# KiCad board corne-light.kicad_pcb
title: Corne Light; date: 2020-11-12; rev: 2.0; company: foostan
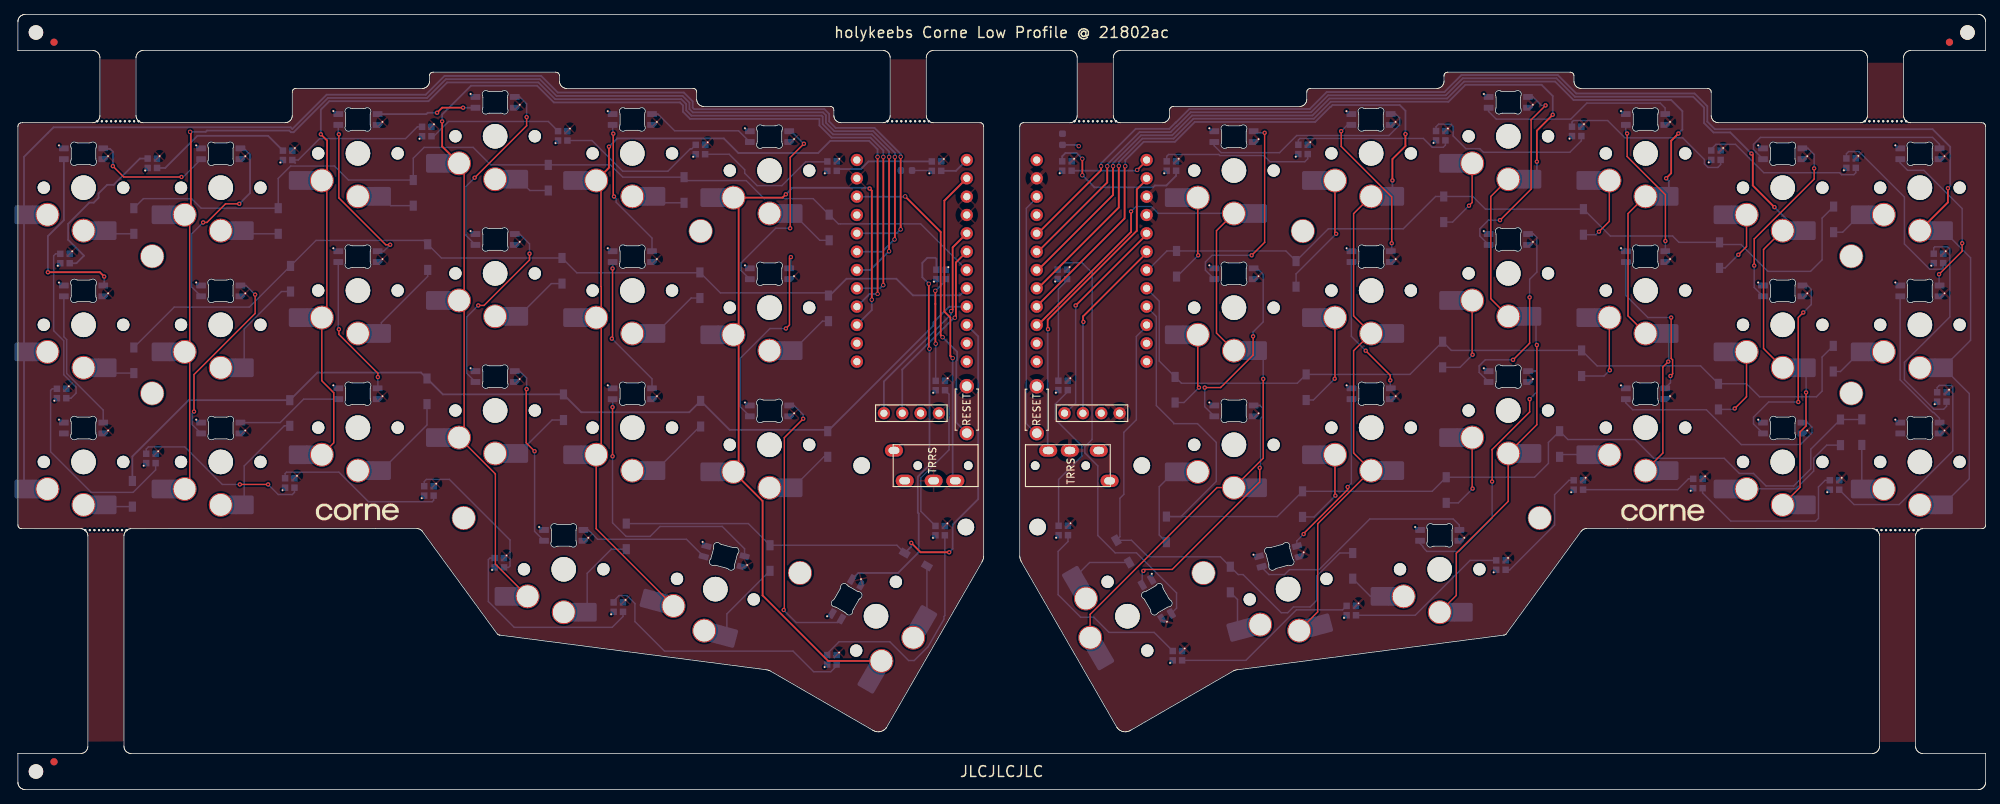
[diagram p0: board, top side]
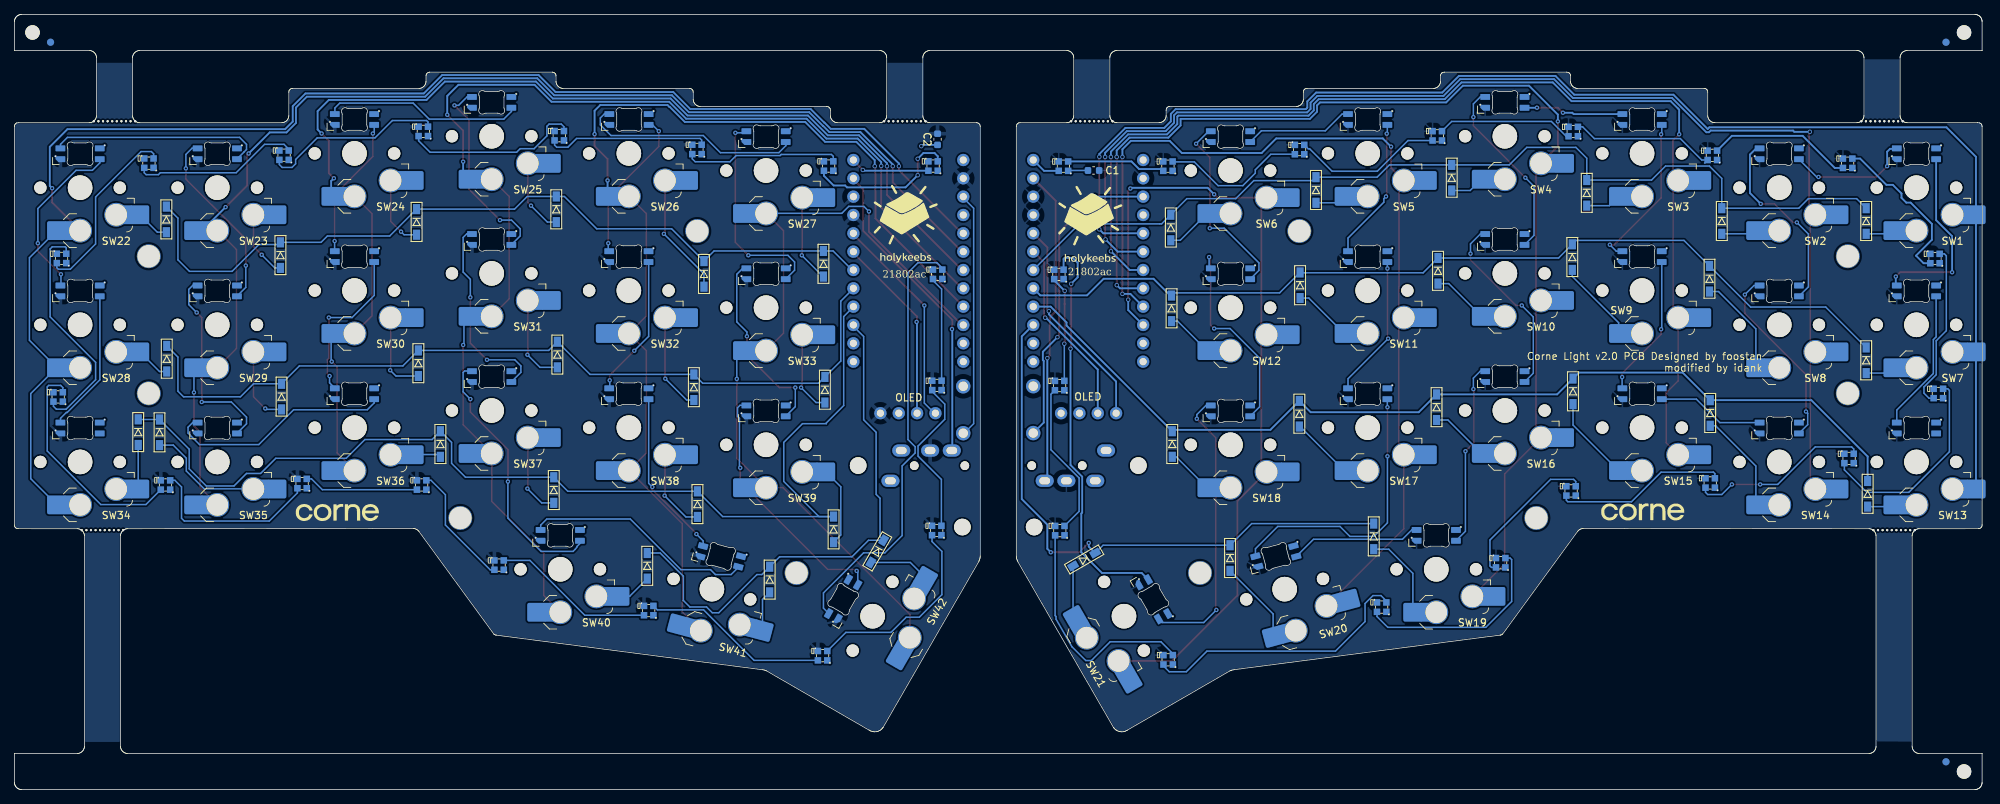
[diagram p1: board, bottom side, seen from below]

Outline 272.5 x 107.4 mm; copper layers: Top, In1.Cu, In2.Cu, Bottom. Coordinates in mm from the lower left corner of the outline.
Stack: Top 0.035mm / dielectric 0.1mm FR4 er 4.5 / In1.Cu 0.035mm / dielectric 1.24mm FR4 er 4.5 / In2.Cu 0.035mm / dielectric 0.1mm FR4 er 4.5 / Bottom 0.035mm

## Placement (name value [footprint] x y rotation side)
BACKLED1  SK6805-EC15  [LED_SK6805-EC15_1.5x1.5mm_P0.6mm_handsolder]  127.22 86.38 180 bottom
BACKLED2  SK6805-EC15  [LED_SK6805-EC15_1.5x1.5mm_P0.6mm_handsolder]  112.75 86.38 180 bottom
BACKLED3  SK6805-EC15  [LED_SK6805-EC15_1.5x1.5mm_P0.6mm_handsolder]  94.52 88.68 180 bottom
BACKLED4  SK6805-EC15  [LED_SK6805-EC15_1.5x1.5mm_P0.6mm_handsolder]  75.45 90.58 180 bottom
BACKLED5  SK6805-EC15  [LED_SK6805-EC15_1.5x1.5mm_P0.6mm_handsolder]  56.62 91.18 180 bottom
BACKLED6  SK6805-EC15  [LED_SK6805-EC15_1.5x1.5mm_P0.6mm_handsolder]  37.35 87.88 180 bottom
BACKLED7  SK6805-EC15  [LED_SK6805-EC15_1.5x1.5mm_P0.6mm_handsolder]  18.62 86.78 180 bottom
BACKLED8  SK6805-EC15  [LED_SK6805-EC15_1.5x1.5mm_P0.6mm_handsolder]  6.52 73.58 180 bottom
BACKLED9  SK6805-EC15  [LED_SK6805-EC15_1.5x1.5mm_P0.6mm_handsolder]  6.05 54.88 180 bottom
BACKLED10  SK6805-EC15  [LED_SK6805-EC15_1.5x1.5mm_P0.6mm_handsolder]  18.42 45.88 180 bottom
BACKLED11  SK6805-EC15  [LED_SK6805-EC15_1.5x1.5mm_P0.6mm_handsolder]  37.65 42.48 180 bottom
BACKLED12  SK6805-EC15  [LED_SK6805-EC15_1.5x1.5mm_P0.6mm_handsolder]  56.92 41.38 180 bottom
BACKLED13  SK6805-EC15  [LED_SK6805-EC15_1.5x1.5mm_P0.6mm_handsolder]  66.67 31.43 180 bottom
BACKLED14  SK6805-EC15  [LED_SK6805-EC15_1.5x1.5mm_P0.6mm_handsolder]  83.15 25.28 180 bottom
BACKLED15  SK6805-EC15  [LED_SK6805-EC15_1.5x1.5mm_P0.6mm_handsolder]  112.72 17.98 180 bottom
BACKLED16  SK6805-EC15  [LED_SK6805-EC15_1.5x1.5mm_P0.6mm_handsolder]  127.72 35.88 180 bottom
BACKLED17  SK6805-EC15  [LED_SK6805-EC15_1.5x1.5mm_P0.6mm_handsolder]  127.75 55.98 180 bottom
BACKLED18  SK6805-EC15  [LED_SK6805-EC15_1.5x1.5mm_P0.6mm_handsolder]  127.85 71.38 180 bottom
BACKLEDr1  SK6805-EC15  [LED_SK6805-EC15_1.5x1.5mm_P0.6mm_handsolder]  145.28 86.4 180 bottom
BACKLEDr2  SK6805-EC15  [LED_SK6805-EC15_1.5x1.5mm_P0.6mm_handsolder]  159.75 86.4 180 bottom
BACKLEDr3  SK6805-EC15  [LED_SK6805-EC15_1.5x1.5mm_P0.6mm_handsolder]  177.98 88.7 180 bottom
BACKLEDr4  SK6805-EC15  [LED_SK6805-EC15_1.5x1.5mm_P0.6mm_handsolder]  197.05 90.6 180 bottom
BACKLEDr5  SK6805-EC15  [LED_SK6805-EC15_1.5x1.5mm_P0.6mm_handsolder]  215.88 91.2 180 bottom
BACKLEDr6  SK6805-EC15  [LED_SK6805-EC15_1.5x1.5mm_P0.6mm_handsolder]  235.16 87.9 180 bottom
BACKLEDr7  SK6805-EC15  [LED_SK6805-EC15_1.5x1.5mm_P0.6mm_handsolder]  253.88 86.8 180 bottom
BACKLEDr8  SK6805-EC15  [LED_SK6805-EC15_1.5x1.5mm_P0.6mm_handsolder]  265.98 73.6 180 bottom
BACKLEDr9  SK6805-EC15  [LED_SK6805-EC15_1.5x1.5mm_P0.6mm_handsolder]  266.45 54.4 180 bottom
BACKLEDr10  SK6805-EC15  [LED_SK6805-EC15_1.5x1.5mm_P0.6mm_handsolder]  251.58 42.2 180 bottom
BACKLEDr11  SK6805-EC15  [LED_SK6805-EC15_1.5x1.5mm_P0.6mm_handsolder]  232.66 42.4 180 bottom
BACKLEDr12  SK6805-EC15  [LED_SK6805-EC15_1.5x1.5mm_P0.6mm_handsolder]  216.11 42.2 180 bottom
BACKLEDr13  SK6805-EC15  [LED_SK6805-EC15_1.5x1.5mm_P0.6mm_handsolder]  205.38 31.1 180 bottom
BACKLEDr14  SK6805-EC15  [LED_SK6805-EC15_1.5x1.5mm_P0.6mm_handsolder]  184.66 24.8 180 bottom
BACKLEDr15  SK6805-EC15  [LED_SK6805-EC15_1.5x1.5mm_P0.6mm_handsolder]  160.58 18.55 180 bottom
BACKLEDr16  SK6805-EC15  [LED_SK6805-EC15_1.5x1.5mm_P0.6mm_handsolder]  144.78 35.9 180 bottom
BACKLEDr17  SK6805-EC15  [LED_SK6805-EC15_1.5x1.5mm_P0.6mm_handsolder]  144.75 56 180 bottom
BACKLEDr18  SK6805-EC15  [LED_SK6805-EC15_1.5x1.5mm_P0.6mm_handsolder]  144.65 71.4 180 bottom
C1  1µ  [C_0603_1608Metric]  123.05 85.78 180 bottom
C2  1µ  [C_0603_1608Metric]  144.66 90.1 90 bottom
D1  D  [D3_SMD_v2]  16.05 78.78 270 bottom
D2  D  [D3_SMD_v2]  36.05 78.78 270 bottom
D3  D  [D3_SMD_v2]  54.75 82.68 270 bottom
D4  D  [D3_SMD_v2]  73.45 84.78 270 bottom
D5  D  [D3_SMD_v2]  92.25 83.08 270 bottom
D6  D  [D3_SMD_v2]  112.35 77.88 270 bottom
D7  D  [D3_SMD_v2]  16.05 59.48 270 bottom
D8  D  [D3_SMD_v2]  37.75 70.78 270 bottom
D9  D  [D3_SMD_v2]  56.75 73.78 270 bottom
D10  D  [D3_SMD_v2]  75.35 71.88 270 bottom
D11  D  [D3_SMD_v2]  94.45 69.88 270 bottom
D12  D  [D3_SMD_v2]  112.25 66.68 270 bottom
D13  D  [D3_SMD_v2]  15.85 40.98 270 bottom
D14  D  [D3_SMD_v2]  37.65 52.18 270 bottom
D15  D  [D3_SMD_v2]  56.65 55.18 270 bottom
D16  D  [D3_SMD_v2]  75.55 52.98 270 bottom
D17  D  [D3_SMD_v2]  94.55 52.08 270 bottom
D18  D  [D3_SMD_v2]  112.15 47.88 270 bottom
D19  D  [D3_SMD_v2]  84.25 35.08 270 bottom
D20  D  [D3_SMD_v2]  104.15 32.08 270 bottom
D21  D  [D3_SMD_v2]  124.35 31.88 330 bottom
D22  D  [D3_SMD_v2]  251.46 79 270 bottom
D23  D  [D3_SMD_v2]  235.66 74.05 270 bottom
D24  D  [D3_SMD_v2]  216.81 78.65 270 bottom
D25  D  [D3_SMD_v2]  197.46 80.4 270 bottom
D26  D  [D3_SMD_v2]  177.01 71.45 270 bottom
D27  D  [D3_SMD_v2]  160.46 72.85 270 bottom
D28  D  [D3_SMD_v2]  251.41 59.7 270 bottom
D29  D  [D3_SMD_v2]  235.51 54.45 270 bottom
D30  D  [D3_SMD_v2]  216.56 59.08 270 bottom
D31  D  [D3_SMD_v2]  197.31 60.28 270 bottom
D32  D  [D3_SMD_v2]  178.41 55.75 270 bottom
D33  D  [D3_SMD_v2]  160.26 55.4 270 bottom
D34  D  [D3_SMD_v2]  255.36 49.53 270 bottom
D35  D  [D3_SMD_v2]  252.41 49.5 270 bottom
D36  D  [D3_SMD_v2]  213.51 47.88 270 bottom
D37  D  [D3_SMD_v2]  197.81 41.5 270 bottom
D38  D  [D3_SMD_v2]  177.91 39.55 270 bottom
D39  D  [D3_SMD_v2]  159.06 36.05 270 bottom
D40  D  [D3_SMD_v2]  184.86 31 270 bottom
D41  D  [D3_SMD_v2]  167.91 29.1 270 bottom
D42  D  [D3_SMD_v2]  153.01 33 300 bottom
G***  LOGO  [corne-logo-horizontal]  227.9 38.31 0 top
G***#2  LOGO  [corne-logo-horizontal]  47.12 38.39 0 top
G***#3  LOGO  [corne-logo-horizontal]  227.67 38.31 180 bottom
G***#4  LOGO  [corne-logo-horizontal]  46.89 38.39 180 bottom
J1  MJ-4PP-9  [MJ-4PP-9_1side]  133.12 44.88 270 top
J2  OLED  [OLED_1side_1mm_holes]  119.93 52.15 0 top
J6  MJ-4PP-9  [MJ-4PP-9_1side]  139.38 44.88 90 top
J7  OLED  [OLED_1side_1mm_holes]  144.95 52.15 0 top
KiKit_FID_B_1  -  [Fiducial]  5 103.55 0 bottom
KiKit_FID_B_2  -  [Fiducial]  267.5 103.55 0 bottom
KiKit_FID_B_3  -  [Fiducial]  5 3.85 0 bottom
KiKit_FID_T_1  -  [Fiducial]  5 103.55 0 top
KiKit_FID_T_2  -  [Fiducial]  267.5 103.55 0 top
KiKit_FID_T_3  -  [Fiducial]  5 3.85 0 top
KiKit_MB_1_2  -  [NPTH]  15.05 35.95 0 top
KiKit_MB_1_3  -  [NPTH]  14.42 35.95 0 top
KiKit_MB_1_4  -  [NPTH]  13.78 35.95 0 top
KiKit_MB_1_5  -  [NPTH]  13.14 35.95 0 top
KiKit_MB_1_6  -  [NPTH]  12.51 35.94 0 top
KiKit_MB_1_7  -  [NPTH]  11.87 35.94 0 top
KiKit_MB_1_8  -  [NPTH]  11.23 35.94 0 top
KiKit_MB_1_9  -  [NPTH]  10.6 35.94 0 top
KiKit_MB_1_10  -  [NPTH]  9.96 35.94 0 top
KiKit_MB_1_11  -  [NPTH]  9.32 35.95 0 top
KiKit_MB_2_2  -  [NPTH]  10.99 92.6 0 top
KiKit_MB_2_3  -  [NPTH]  11.63 92.6 0 top
KiKit_MB_2_4  -  [NPTH]  12.27 92.6 0 top
KiKit_MB_2_5  -  [NPTH]  12.9 92.6 0 top
KiKit_MB_2_6  -  [NPTH]  13.54 92.6 0 top
KiKit_MB_2_7  -  [NPTH]  14.18 92.6 0 top
KiKit_MB_2_8  -  [NPTH]  14.81 92.6 0 top
KiKit_MB_2_9  -  [NPTH]  15.45 92.6 0 top
KiKit_MB_2_10  -  [NPTH]  16.09 92.6 0 top
KiKit_MB_2_11  -  [NPTH]  16.72 92.6 0 top
KiKit_MB_3_2  -  [NPTH]  120.43 92.6 0 top
KiKit_MB_3_3  -  [NPTH]  121.07 92.6 0 top
KiKit_MB_3_4  -  [NPTH]  121.71 92.6 0 top
KiKit_MB_3_5  -  [NPTH]  122.34 92.6 0 top
KiKit_MB_3_6  -  [NPTH]  122.98 92.6 0 top
KiKit_MB_3_7  -  [NPTH]  123.62 92.6 0 top
KiKit_MB_3_8  -  [NPTH]  124.25 92.6 0 top
KiKit_MB_3_9  -  [NPTH]  124.89 92.6 0 top
KiKit_MB_3_10  -  [NPTH]  125.53 92.6 0 top
KiKit_MB_3_11  -  [NPTH]  126.16 92.6 0 top
KiKit_MB_4_2  -  [NPTH]  263.17 35.95 0 top
KiKit_MB_4_3  -  [NPTH]  262.54 35.94 0 top
KiKit_MB_4_4  -  [NPTH]  261.9 35.94 0 top
KiKit_MB_4_5  -  [NPTH]  261.26 35.94 0 top
KiKit_MB_4_6  -  [NPTH]  260.63 35.94 0 top
KiKit_MB_4_7  -  [NPTH]  259.99 35.94 0 top
KiKit_MB_4_8  -  [NPTH]  259.35 35.95 0 top
KiKit_MB_4_9  -  [NPTH]  258.72 35.95 0 top
KiKit_MB_4_10  -  [NPTH]  258.08 35.95 0 top
KiKit_MB_4_11  -  [NPTH]  257.45 35.95 0 top
KiKit_MB_5_2  -  [NPTH]  146.34 92.6 0 top
KiKit_MB_5_3  -  [NPTH]  146.97 92.6 0 top
KiKit_MB_5_4  -  [NPTH]  147.61 92.6 0 top
KiKit_MB_5_5  -  [NPTH]  148.24 92.6 0 top
KiKit_MB_5_6  -  [NPTH]  148.88 92.6 0 top
KiKit_MB_5_7  -  [NPTH]  149.52 92.6 0 top
KiKit_MB_5_8  -  [NPTH]  150.15 92.6 0 top
KiKit_MB_5_9  -  [NPTH]  150.79 92.6 0 top
KiKit_MB_5_10  -  [NPTH]  151.43 92.6 0 top
KiKit_MB_5_11  -  [NPTH]  152.06 92.6 0 top
KiKit_MB_6_2  -  [NPTH]  255.78 92.6 0 top
KiKit_MB_6_3  -  [NPTH]  256.41 92.6 0 top
KiKit_MB_6_4  -  [NPTH]  257.05 92.6 0 top
KiKit_MB_6_5  -  [NPTH]  257.68 92.6 0 top
KiKit_MB_6_6  -  [NPTH]  258.32 92.6 0 top
KiKit_MB_6_7  -  [NPTH]  258.96 92.6 0 top
KiKit_MB_6_8  -  [NPTH]  259.59 92.6 0 top
KiKit_MB_6_9  -  [NPTH]  260.23 92.6 0 top
KiKit_MB_6_10  -  [NPTH]  260.87 92.6 0 top
KiKit_MB_6_11  -  [NPTH]  261.5 92.6 0 top
KiKit_TO_1  -  [NPTH#2]  2.5 104.9 0 top
KiKit_TO_2  -  [NPTH#2]  270 104.9 0 top
KiKit_TO_3  -  [NPTH#2]  2.5 2.5 0 top
L1  SK6812MINI  [LED_6028R]  9.09 88.1 180 bottom
L2  SK6812MINI  [LED_6028R]  28.09 88.1 180 bottom
L3  SK6812MINI  [LED_6028R]  47.09 92.85 180 bottom
L4  SK6812MINI  [LED_6028R]  66.09 95.22 180 bottom
L5  SK6812MINI  [LED_6028R]  85.09 92.85 180 bottom
L6  SK6812MINI  [LED_6028R]  104.09 90.47 180 bottom
L7  SK6812MINI  [LED_6028R]  9.09 69.1 180 bottom
L8  SK6812MINI  [LED_6028R]  28.09 69.1 180 bottom
L9  SK6812MINI  [LED_6028R]  47.09 73.85 180 bottom
L10  SK6812MINI  [LED_6028R]  66.09 76.22 180 bottom
L11  SK6812MINI  [LED_6028R]  85.09 73.85 180 bottom
L12  SK6812MINI  [LED_6028R]  104.09 71.47 180 bottom
L13  SK6812MINI  [LED_6028R]  9.09 50.1 180 bottom
L14  SK6812MINI  [LED_6028R]  28.09 50.1 180 bottom
L15  SK6812MINI  [LED_6028R]  47.09 54.85 180 bottom
L16  SK6812MINI  [LED_6028R]  66.09 57.22 180 bottom
L17  SK6812MINI  [LED_6028R]  85.09 54.85 180 bottom
L18  SK6812MINI  [LED_6028R]  104.09 52.47 180 bottom
L19  SK6812MINI  [LED_6028R]  75.59 35.22 180 bottom
L20  SK6812MINI  [LED_6028R]  97.81 32.31 165 bottom
L21  SK6812MINI  [LED_6028R]  114.77 26.37 240 bottom
L28  SK6812MINI  [LED_6028R]  263.41 88.1 180 bottom
L29  SK6812MINI  [LED_6028R]  244.41 88.1 180 bottom
L30  SK6812MINI  [LED_6028R]  225.41 92.85 180 bottom
L31  SK6812MINI  [LED_6028R]  206.41 95.22 180 bottom
L32  SK6812MINI  [LED_6028R]  187.39 92.85 180 bottom
L33  SK6812MINI  [LED_6028R]  168.41 90.47 180 bottom
L34  SK6812MINI  [LED_6028R]  263.41 69.1 180 bottom
L35  SK6812MINI  [LED_6028R]  244.41 69.1 180 bottom
L36  SK6812MINI  [LED_6028R]  225.41 73.85 180 bottom
L37  SK6812MINI  [LED_6028R]  206.41 76.22 180 bottom
L38  SK6812MINI  [LED_6028R]  187.41 73.85 180 bottom
L39  SK6812MINI  [LED_6028R]  168.41 71.47 180 bottom
L40  SK6812MINI  [LED_6028R]  263.41 50.1 180 bottom
L41  SK6812MINI  [LED_6028R]  244.41 50.1 180 bottom
L42  SK6812MINI  [LED_6028R]  225.41 54.85 180 bottom
L43  SK6812MINI  [LED_6028R]  206.41 57.22 180 bottom
L44  SK6812MINI  [LED_6028R]  187.41 54.85 180 bottom
L45  SK6812MINI  [LED_6028R]  168.41 52.47 180 bottom
L46  SK6812MINI  [LED_6028R]  196.91 35.22 180 bottom
L47  SK6812MINI  [LED_6028R]  174.69 32.31 195 bottom
L48  SK6812MINI  [LED_6028R]  157.73 26.37 120 bottom
Ref**  Val**  [thread_m2]  141.22 36.38 0 top
REF**  -  [M2_SPACER]  253.9 54.89 0 top
Ref**#2  Val**  [thread_m2]  155.65 44.9 0 top
REF**#2  logo big  [logo .5x]  123.49 78.64 180 bottom
Ref**#3  Val**  [M2_SPACER]  177.94 77.38 0 top
REF**#3  logo big  [logo .5x]  149.05 78.78 180 bottom
Ref**#4  Val**  [M2_SPACER]  164.19 30.02 180 bottom
Ref**#5  Val**  [M2_SPACER]  210.76 37.63 180 bottom
Ref**#6  Val**  [M2_SPACER]  253.9 73.89 180 bottom
Ref**#7  Val**  [thread_m2]  116.85 44.9 180 bottom
Ref**#8  Val**  [M2_SPACER]  18.6 73.89 180 bottom
Ref**#9  Val**  [thread_m2]  131.28 36.38 180 bottom
Ref**#10  Val**  [M2_SPACER]  94.55 77.38 180 bottom
Ref**#11  Val**  [M2_SPACER]  61.74 37.63 180 bottom
Ref**#12  Val**  [M2_SPACER]  108.31 30.02 180 bottom
Ref**#13  Val**  [M2_SPACER]  18.6 54.89 180 bottom
RSW1  SW_PUSH  [ResetSW_1side]  131.41 52.64 270 top
RSW2  SW_PUSH  [ResetSW_1side]  141.1 52.63 270 top
SW1  SW_PUSH  [SW_choc_v1_HS_CPG135001S30_1u]  9.09 83.4 180 bottom
SW2  SW_PUSH  [SW_choc_v1_HS_CPG135001S30_1u]  28.09 83.4 180 bottom
SW3  SW_PUSH  [SW_choc_v1_HS_CPG135001S30_1u]  47.09 88.15 180 bottom
SW4  SW_PUSH  [SW_choc_v1_HS_CPG135001S30_1u]  66.09 90.52 180 bottom
SW5  SW_PUSH  [SW_choc_v1_HS_CPG135001S30_1u]  85.09 88.15 180 bottom
SW6  SW_PUSH  [SW_choc_v1_HS_CPG135001S30_1u]  104.09 85.77 180 bottom
SW7  SW_PUSH  [SW_choc_v1_HS_CPG135001S30_1u]  9.09 64.4 180 bottom
SW8  SW_PUSH  [SW_choc_v1_HS_CPG135001S30_1u]  28.09 64.4 180 bottom
SW9  SW_PUSH  [SW_choc_v1_HS_CPG135001S30_1u]  47.09 69.15 180 bottom
SW10  SW_PUSH  [SW_choc_v1_HS_CPG135001S30_1u]  66.09 71.52 180 bottom
SW11  SW_PUSH  [SW_choc_v1_HS_CPG135001S30_1u]  85.09 69.15 180 bottom
SW12  SW_PUSH  [SW_choc_v1_HS_CPG135001S30_1u]  104.09 66.77 180 bottom
SW13  SW_PUSH  [SW_choc_v1_HS_CPG135001S30_1u]  9.09 45.4 180 bottom
SW14  SW_PUSH  [SW_choc_v1_HS_CPG135001S30_1u]  28.09 45.4 180 bottom
SW15  SW_PUSH  [SW_choc_v1_HS_CPG135001S30_1u]  47.09 50.15 180 bottom
SW16  SW_PUSH  [SW_choc_v1_HS_CPG135001S30_1u]  66.09 52.52 180 bottom
SW17  SW_PUSH  [SW_choc_v1_HS_CPG135001S30_1u]  85.09 50.15 180 bottom
SW18  SW_PUSH  [SW_choc_v1_HS_CPG135001S30_1u]  104.09 47.77 180 bottom
SW19  SW_PUSH  [SW_choc_v1_HS_CPG135001S30_1u]  75.59 30.52 180 bottom
SW20  SW_PUSH  [SW_choc_v1_HS_CPG135001S30_1u]  96.59 27.77 165 bottom
SW21  SW_PUSH  [SW_choc_v1_HS_CPG135001S30_1u]  118.84 24.02 240 bottom
SW22  SW_PUSH  [SW_choc_v1_HS_CPG135001S30_1u_flipped]  263.41 83.4 180 bottom
SW23  SW_PUSH  [SW_choc_v1_HS_CPG135001S30_1u_flipped]  244.41 83.4 180 bottom
SW24  SW_PUSH  [SW_choc_v1_HS_CPG135001S30_1u_flipped]  225.41 88.15 180 bottom
SW25  SW_PUSH  [SW_choc_v1_HS_CPG135001S30_1u_flipped]  206.41 90.52 180 bottom
SW26  SW_PUSH  [SW_choc_v1_HS_CPG135001S30_1u_flipped]  187.41 88.15 180 bottom
SW27  SW_PUSH  [SW_choc_v1_HS_CPG135001S30_1u_flipped]  168.41 85.77 180 bottom
SW28  SW_PUSH  [SW_choc_v1_HS_CPG135001S30_1u_flipped]  263.41 64.4 180 bottom
SW29  SW_PUSH  [SW_choc_v1_HS_CPG135001S30_1u_flipped]  244.41 64.4 180 bottom
SW30  SW_PUSH  [SW_choc_v1_HS_CPG135001S30_1u_flipped]  225.41 69.15 180 bottom
SW31  SW_PUSH  [SW_choc_v1_HS_CPG135001S30_1u_flipped]  206.41 71.52 180 bottom
SW32  SW_PUSH  [SW_choc_v1_HS_CPG135001S30_1u_flipped]  187.41 69.15 180 bottom
SW33  SW_PUSH  [SW_choc_v1_HS_CPG135001S30_1u_flipped]  168.41 66.77 180 bottom
SW34  SW_PUSH  [SW_choc_v1_HS_CPG135001S30_1u_flipped]  263.41 45.4 180 bottom
SW35  SW_PUSH  [SW_choc_v1_HS_CPG135001S30_1u_flipped]  244.41 45.4 180 bottom
SW36  SW_PUSH  [SW_choc_v1_HS_CPG135001S30_1u_flipped]  225.41 50.15 180 bottom
SW37  SW_PUSH  [SW_choc_v1_HS_CPG135001S30_1u_flipped]  206.41 52.52 180 bottom
SW38  SW_PUSH  [SW_choc_v1_HS_CPG135001S30_1u_flipped]  187.41 50.15 180 bottom
SW39  SW_PUSH  [SW_choc_v1_HS_CPG135001S30_1u_flipped]  168.41 47.77 180 bottom
SW40  SW_PUSH  [SW_choc_v1_HS_CPG135001S30_1u_flipped]  196.91 30.52 180 bottom
SW41  SW_PUSH  [SW_choc_v1_HS_CPG135001S30_1u_flipped]  175.91 27.77 195 bottom
SW42  SW_PUSH  [SW_choc_v1_HS_CPG135001S30_1u_flipped]  153.66 24.02 120 bottom
U1  ProMicro  [ProMicro_1mm_holes]  123.79 72.76 0 top
U2  ProMicro  [ProMicro_1mm_holes]  148.7 72.75 0 top

## Library data of the parts
BACKLED1-BACKLED18 BACKLEDr1-BACKLEDr18 = -: Datasheet: https://datasheet.lcsc.com/lcsc/2108251530_OPSCO-Optoelectronics-SK6805-EC15_C2890035.pdf; MFN: Dongguan Opsco Optoelectronics; LCSC: C2890035
C1 C2 = -: LCSC: C52923
D1-D42 = -: LCSC: C2099
J2 J7 = -: ki_fp_filters: Connector*:*_1x??_*
L1-L21 L28-L48 = -: Description: Reverse mount adressable LED (WS2812 protocol); LCSC: C5149201
SW1-SW42 = -: LCSC: C5333465

## Footprints (pads in the part's own frame, mm; a bottom-side part is the same pattern mirrored in y, then rotated)
C_0603_1608Metric
  rrect 0.9x0.95 smd: 1(-0.775,0) 2(0.775,0)
D3_SMD_v2
  rect 1.4x1 smd: 1(-1.775,0) 2(1.775,0)
Fiducial
  round 1 smd: (0,0)
LED_6028R
  rrect 1.35x0.82 smd: 1(2.725,0.75) 2(2.725,-0.75) 3(-2.725,0.75) 4(-2.725,-0.75)
  round 0.3 hole 0.2: 1(3.4,1.16) 4(-3.4,-0.34)
LED_SK6805-EC15_1.5x1.5mm_P0.6mm_handsolder
  rect 0.9x0.9 smd: 1(-0.65,-0.65) 2(0.65,-0.65) 3(0.65,0.65) 4(-0.65,0.65)
  round 0.3 hole 0.2: 2(1,-1) 4(-1,1)
M2_SPACER
  round 3.3 hole 3.1: (0,0)
MJ-4PP-9_1side
  round 1.2 hole 1.2 unplated: (0,-1.5) (0,-8.5)
  oval 1.7x2.5 hole 1x1.5: A(-2.1,-11.8) B(2.1,-3.3) C(2.1,-6.3) D(2.1,-10.3)
NPTH
  round 0.3 hole 0.3 unplated: (0,0)
NPTH#2
  round 2 hole 2 unplated: (0,0)
OLED_1side_1mm_holes
  round 1.7 hole 1: 1(0,0) 2(2.54,0) 3(5.08,0) 4(7.62,0)
ProMicro_1mm_holes
  round 1.7 hole 1: 1(7.611,14.478) 2(7.611,11.938) 3(7.611,9.398) 4(7.611,6.858) 5(7.611,4.318) 6(7.611,1.778) 7(7.611,-0.762) 8(7.611,-3.302) 9(7.611,-5.842) 10(7.611,-8.382) 11(7.611,-10.922) 12(7.611,-13.462) 13(-7.609,-13.462) 14(-7.609,-10.922) 15(-7.609,-8.382) 16(-7.609,-5.842) 17(-7.609,-3.302) 18(-7.609,-0.762) 19(-7.609,1.778) 20(-7.609,4.318) 21(-7.609,6.858) 22(-7.609,9.398) 23(-7.609,11.938) 24(-7.609,14.478)
ResetSW_1side
  round 2 hole 1.3: 1(3.25,0) 2(-3.25,0)
SW_choc_v1_HS_CPG135001S30_1u
  round 1.7 hole 1.7 unplated: (-5.5,0) (5.5,0)
  round 3.4 hole 3.4 unplated: (0,0)
  round 3.3 hole 3: 1(5,-3.75) 2(0,-5.95)
  rect 1.2x2.6 smd: 1(6.55,-3.75) 2(-1.55,-5.95)
  rrect 2.65x2.6 smd: 1(8.245,-3.75) 2(-3.245,-5.95)
SW_choc_v1_HS_CPG135001S30_1u_flipped
  round 1.7 hole 1.7 unplated: (-5.5,0) (5.5,0)
  round 3.4 hole 3.4 unplated: (0,0)
  rrect 2.65x2.6 smd: 1(-3.245,-5.95) 2(8.245,-3.75)
  rect 1.2x2.6 smd: 1(-1.55,-5.95) 2(6.55,-3.75)
  round 3.3 hole 3: 1(0,-5.95) 2(5,-3.75)
thread_m2
  round 2.3 hole 2.3 unplated: (0,0)

## Nets
GND: BACKLED1.4 BACKLED2.4 BACKLED3.4 BACKLED4.4 BACKLED5.4 BACKLED6.4 BACKLED7.4 BACKLED8.4 BACKLED9.4 BACKLED10.4 BACKLED11.4 BACKLED12.4 BACKLED13.4 BACKLED14.4 BACKLED15.4 BACKLED16.4 BACKLED17.4 BACKLED18.4 C1.2 J1.C J2.4 L1.4 L2.4 L3.4 L4.4 L5.4 L6.4 L7.4 L8.4 L9.4 L10.4 L11.4 L12.4 L13.4 L14.4 L15.4 L16.4 L17.4 L18.4 L19.4 L20.4 L21.4 RSW1.2 U1.3 U1.4 U1.23
GNDA: BACKLEDr1.4 BACKLEDr2.4 BACKLEDr3.4 BACKLEDr4.4 BACKLEDr5.4 BACKLEDr6.4 BACKLEDr7.4 BACKLEDr8.4 BACKLEDr9.4 BACKLEDr10.4 BACKLEDr11.4 BACKLEDr12.4 BACKLEDr13.4 BACKLEDr14.4 BACKLEDr15.4 BACKLEDr16.4 BACKLEDr17.4 BACKLEDr18.4 C2.2 J6.C J7.4 L28.4 L29.4 L30.4 L31.4 L32.4 L33.4 L34.4 L35.4 L36.4 L37.4 L38.4 L39.4 L40.4 L41.4 L42.4 L43.4 L44.4 L45.4 L46.4 L47.4 L48.4 RSW2.2 U2.3 U2.4 U2.23
VCC: BACKLED1.2 BACKLED2.2 BACKLED3.2 BACKLED4.2 BACKLED5.2 BACKLED6.2 BACKLED7.2 BACKLED8.2 BACKLED9.2 BACKLED10.2 BACKLED11.2 BACKLED12.2 BACKLED13.2 BACKLED14.2 BACKLED15.2 BACKLED16.2 BACKLED17.2 BACKLED18.2 C1.1 J1.D J2.3 L1.1 L2.1 L3.1 L4.1 L5.1 L6.1 L7.1 L8.1 L9.1 L10.1 L11.1 L12.1 L13.1 L14.1 L15.1 L16.1 L17.1 L18.1 L19.1 L20.1 L21.1 U1.21
VDD: BACKLEDr1.2 BACKLEDr2.2 BACKLEDr3.2 BACKLEDr4.2 BACKLEDr5.2 BACKLEDr6.2 BACKLEDr7.2 BACKLEDr8.2 BACKLEDr9.2 BACKLEDr10.2 BACKLEDr11.2 BACKLEDr12.2 BACKLEDr13.2 BACKLEDr14.2 BACKLEDr15.2 BACKLEDr16.2 BACKLEDr17.2 BACKLEDr18.2 C2.1 J6.D J7.3 L28.1 L29.1 L30.1 L31.1 L32.1 L33.1 L34.1 L35.1 L36.1 L37.1 L38.1 L39.1 L40.1 L41.1 L42.1 L43.1 L44.1 L45.1 L46.1 L47.1 L48.1 U2.21
col0: SW1.1 SW7.1 SW13.1 U1.20
col0_r: SW22.1 SW28.1 SW34.1 U2.20
col1: SW2.1 SW8.1 SW14.1 U1.19
col1_r: SW23.1 SW29.1 SW35.1 U2.19
col2: SW3.1 SW9.1 SW15.1 U1.18
col2_r: SW24.1 SW30.1 SW36.1 U2.18
col3: SW4.1 SW10.1 SW16.1 SW19.1 U1.17
col3_r: SW25.1 SW31.1 SW37.1 SW40.1 U2.17
col4: SW5.1 SW11.1 SW17.1 SW20.1 U1.16
col4_r: SW26.1 SW32.1 SW38.1 SW41.1 U2.16
col5: SW6.1 SW12.1 SW18.1 SW21.1 U1.15
col5_r: SW27.1 SW33.1 SW39.1 SW42.1 U2.15
data: J1.B U1.2
data_r: J6.B U2.2
LED: BACKLED1.1 U1.1
LED_CONT: BACKLED18.3 L21.3
LED_r: BACKLEDr1.1 U2.1
LEDr_CONT: BACKLEDr18.3 L48.3
reset: RSW1.1 U1.22
reset_r: RSW2.1 U2.22
row0: D1.1 D2.1 D3.1 D4.1 D5.1 D6.1 U1.7
row0_r: D22.1 D23.1 D24.1 D25.1 D26.1 D27.1 U2.7
row1: D7.1 D8.1 D9.1 D10.1 D11.1 D12.1 U1.8
row1_r: D28.1 D29.1 D30.1 D31.1 D32.1 D33.1 U2.8
row2: D13.1 D14.1 D15.1 D16.1 D17.1 D18.1 U1.9
row2_r: D34.1 D35.1 D36.1 D37.1 D38.1 D39.1 U2.9
row3: D19.1 D20.1 D21.1 U1.10
row3_r: D40.1 D41.1 D42.1 U2.10
SCL: J2.2 U1.6
SCL_r: J7.2 U2.6
SDA: J2.1 U1.5
SDA_r: J7.1 U2.5
Net-(BACKLED1-DOUT): BACKLED1.3 BACKLED2.1
Net-(BACKLED2-DOUT): BACKLED2.3 BACKLED3.1
Net-(BACKLED3-DOUT): BACKLED3.3 BACKLED4.1
Net-(BACKLED4-DOUT): BACKLED4.3 BACKLED5.1
Net-(BACKLED5-DOUT): BACKLED5.3 BACKLED6.1
Net-(BACKLED6-DOUT): BACKLED6.3 BACKLED7.1
Net-(BACKLED7-DOUT): BACKLED7.3 BACKLED8.1
Net-(BACKLED8-DOUT): BACKLED8.3 BACKLED9.1
Net-(BACKLED10-DIN): BACKLED9.3 BACKLED10.1
Net-(BACKLED10-DOUT): BACKLED10.3 BACKLED11.1
Net-(BACKLED11-DOUT): BACKLED11.3 BACKLED12.1
Net-(BACKLED12-DOUT): BACKLED12.3 BACKLED13.1
Net-(BACKLED13-DOUT): BACKLED13.3 BACKLED14.1
Net-(BACKLED14-DOUT): BACKLED14.3 BACKLED15.1
Net-(BACKLED15-DOUT): BACKLED15.3 BACKLED16.1
Net-(BACKLED16-DOUT): BACKLED16.3 BACKLED17.1
Net-(BACKLED17-DOUT): BACKLED17.3 BACKLED18.1
Net-(BACKLEDr1-DOUT): BACKLEDr1.3 BACKLEDr2.1
Net-(BACKLEDr2-DOUT): BACKLEDr2.3 BACKLEDr3.1
Net-(BACKLEDr3-DOUT): BACKLEDr3.3 BACKLEDr4.1
Net-(BACKLEDr4-DOUT): BACKLEDr4.3 BACKLEDr5.1
Net-(BACKLEDr5-DOUT): BACKLEDr5.3 BACKLEDr6.1
Net-(BACKLEDr6-DOUT): BACKLEDr6.3 BACKLEDr7.1
Net-(BACKLEDr7-DOUT): BACKLEDr7.3 BACKLEDr8.1
Net-(BACKLEDr8-DOUT): BACKLEDr8.3 BACKLEDr9.1
Net-(BACKLEDr10-DIN): BACKLEDr9.3 BACKLEDr10.1
Net-(BACKLEDr10-DOUT): BACKLEDr10.3 BACKLEDr11.1
Net-(BACKLEDr11-DOUT): BACKLEDr11.3 BACKLEDr12.1
Net-(BACKLEDr12-DOUT): BACKLEDr12.3 BACKLEDr13.1
Net-(BACKLEDr13-DOUT): BACKLEDr13.3 BACKLEDr14.1
Net-(BACKLEDr14-DOUT): BACKLEDr14.3 BACKLEDr15.1
Net-(BACKLEDr15-DOUT): BACKLEDr15.3 BACKLEDr16.1
Net-(BACKLEDr16-DOUT): BACKLEDr16.3 BACKLEDr17.1
Net-(BACKLEDr17-DOUT): BACKLEDr17.3 BACKLEDr18.1